# Altium PCB vme64x6U_ctrlc.PcbDoc (part 17 of 18)
Units mm, origin at the board's own origin, x right, y up, seen from the top; angles counter-clockwise.
Board outline 233.35 x 162 mm, 6 copper layers (TopLayer, PlaneGnd, PlanePwr, MidLayer3, MidLayer4, BottomLayer); 408 components, 677 nets, 2169 pads, 1555 vias.
Unrouted connection lines stored in the file: 184.
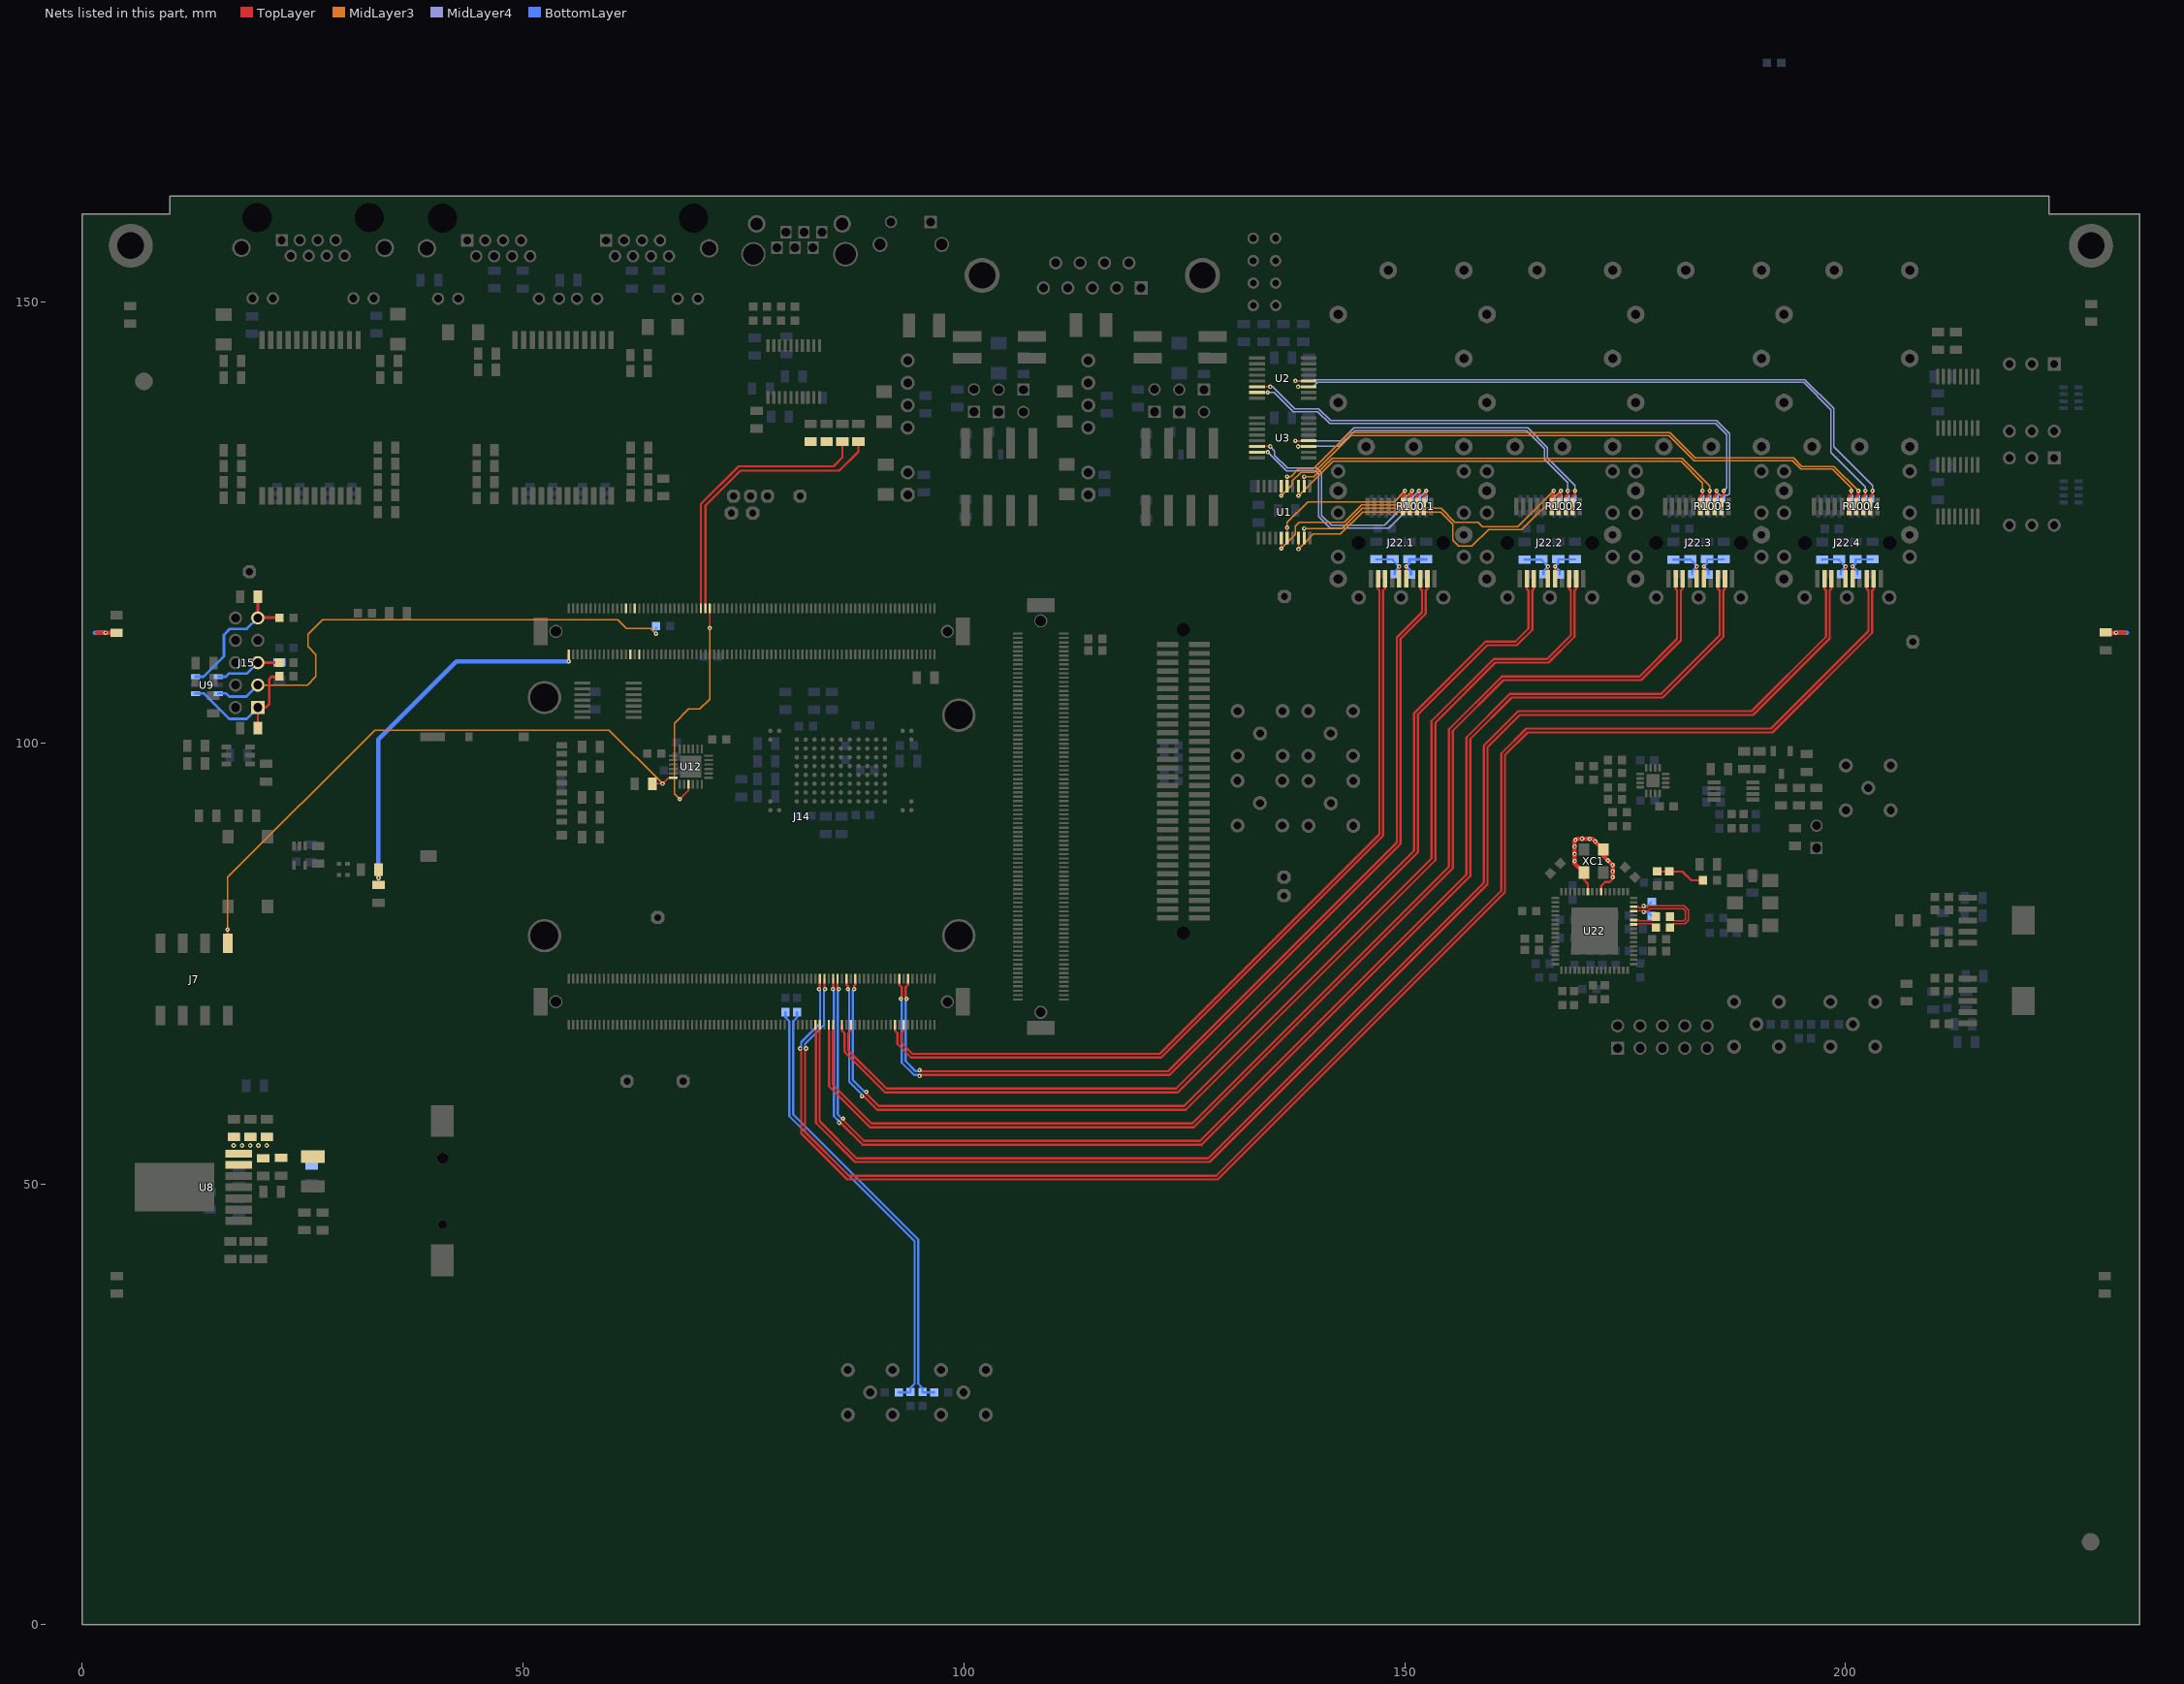
[diagram p21: the nets of this part, all layers, seen from the top]

## Via types
v1: diameter 0.5, hole 0.2, TopLayer to BottomLayer, tented both sides, 1555 vias

## Nets (pads, with @x,y where several pads share a name; then routed paths per layer and width w, separated by ;. In a path a pad name is that pad's centre, name@x,y a point inside that pad or via, vN(x,y) a via of type N, cw(c..) or ccw(c..) an arc to the next point about the centre after c; other vN are vias at no path point) (continued)
SDIO_D3: J14.A103 U12.3 | length 26.4
  TopLayer w0.15: v1(67.775,93.625) 68.775,94.625 U12.3@68.775,95.3 ; v1(71.175,113.025) J14.A103@71.175,115.25
  MidLayer3 w0.15: v1(67.775,93.625) 67.15,94.25 67.15,102.225 68.77,103.845 70.045,103.845 71.175,104.975 v1(71.175,113.025)
SDIO_SEL: J7.5 R71.1 U12.24 | length 68.9
  TopLayer w0.15: R71.1@64.675,95.375 v1(65.825,95.375) 66.5,96.05 U12.24@67.025,96.05
  TopLayer w0.25: J7.5@16.49,77.275 v1(16.49,78.845)
  MidLayer3 w0.15: v1(16.49,78.845) 16.49,84.765 33.175,101.45 59.75,101.45 v1(65.825,95.375)
SFP_I2C_0.SCL: J22.1.5 R100.1.5 U1.6 | length 19.4
  TopLayer w0.15: U1.6@136.65,123.225 v1(136.65,124.4)
  TopLayer w0.3: J22.1.5@149.775,126.8 149.775,127.975 150.03,128.23 v1(150.03,128.595)
  MidLayer3 w0.15: v1(136.65,124.4) 136.65,125 139,127.35 148.785,127.35 v1(150.03,128.595)
  BottomLayer w0.15: R100.1.5@150.03,127.7 v1(150.03,128.595)
SFP_I2C_0.SDA: J22.1.4 R100.1.6 U1.5 | length 22.1
  TopLayer w0.15: v1(136,122.05) U1.5@136,123.225
  TopLayer w0.3: J22.1.4@150.575,126.8 150.575,127.925 150.83,128.18 v1(150.83,128.595)
  MidLayer3 w0.15: v1(136,122.05) 137.61,123.66 137.61,124.585 138.05,125.025 143.125,125.025 145.125,127.025 149.26,127.025 v1(150.83,128.595)
  BottomLayer w0.15: R100.1.6@150.83,127.7 v1(150.83,128.595)
SFP_I2C_1.SCL: J22.2.5 R100.2.5 U1.9 | length 35.8
  TopLayer w0.15: U1.9@138.6,123.15 U1.9@138.6,123.225 v1(138.6,124.325)
  TopLayer w0.3: J22.2.5@166.65,126.8 166.65,127.975 166.905,128.23 v1(166.905,128.595)
  MidLayer3 w0.15: v1(138.6,124.325) 142.878,124.325 145.153,126.6 154.128,126.6 155.703,125.025 158.3,125.025 158.825,124.5 162.81,124.5 v1(166.905,128.595)
  BottomLayer w0.15: R100.2.5@166.905,127.7 v1(166.905,128.595)
SFP_I2C_1.SDA: J22.2.4 R100.2.6 U1.8 | length 40.8
  TopLayer w0.15: v1(137.95,121.975) U1.8@137.95,123.15
  TopLayer w0.3: J22.2.4@167.45,126.8 167.45,127.925 167.705,128.18 v1(167.705,128.595)
  MidLayer3 w0.15: v1(137.95,121.975) 138.5,122.525 139.65,123.675 142.7,123.675 145.225,126.2 154.075,126.2 155.46,124.815 155.46,122.965 156.125,122.3 157.625,122.3 159.5,124.175 163.285,124.175 v1(167.705,128.595)
  BottomLayer w0.15: R100.2.6@167.705,127.7 v1(167.705,128.595)
SFP_I2C_2.SCL: J22.3.5 R100.3.5 U1.13 | length 53.2
  TopLayer w0.15: v1(137.95,128.05) U1.13@137.95,129.125
  TopLayer w0.3: J22.3.5@183.525,126.8 183.525,127.975 183.78,128.23 v1(183.78,128.595)
  MidLayer3 w0.15: v1@137.975,128.025 141.875,131.925 181.325,131.925 183.78,129.47 v1(183.78,128.595)
  BottomLayer w0.15: R100.3.5@183.78,127.7 v1(183.78,128.595)
SFP_I2C_2.SDA: J22.3.4 R100.3.6 U1.12 | length 52.6
  TopLayer w0.15: U1.12@138.6,129.125 v1(138.6,130.2)
  TopLayer w0.3: J22.3.4@184.325,126.8 184.325,127.925 184.58,128.18 v1(184.58,128.595)
  MidLayer3 w0.15: v1(138.6,130.2) 139.69,130.2 141.765,132.275 181.45,132.275 184.58,129.145 v1(184.58,128.595)
  BottomLayer w0.15: R100.3.6@184.58,127.7 v1(184.58,128.595)
SFP_I2C_3.SCL: J22.4.5 R100.4.5 U1.16 | length 74.4
  TopLayer w0.15: v1(136,128.05) U1.16@136,129.125
  TopLayer w0.3: J22.4.5@200.4,126.8 200.4,127.975 200.655,128.23 v1(200.655,128.595)
  MidLayer3 w0.15: v1(136,128.05) 137.225,129.275 137.225,129.675 138.25,130.7 139.725,130.7 143.9,134.875 179.95,134.875 182.82,132.005 193.97,132.005 194.925,131.05 198.525,131.05 200.655,128.92 v1(200.655,128.595)
  BottomLayer w0.15: R100.4.5@200.655,127.7 v1(200.655,128.595)
SFP_I2C_3.SDA: J22.4.4 R100.4.6 U1.15 | length 73.5
  TopLayer w0.15: U1.15@136.65,129.125 v1(136.65,130.2)
  TopLayer w0.3: J22.4.4@201.2,126.8 201.2,127.925 201.455,128.18 v1(201.455,128.595)
  MidLayer3 w0.15: v1(136.65,130.2) 137.075,130.2 137.925,131.05 139.6,131.05 143.745,135.195 180.083,135.195 182.953,132.325 194.103,132.325 195.058,131.37 198.68,131.37 v1(201.455,128.595)
  BottomLayer w0.15: R100.4.6@201.455,127.7 v1(201.455,128.595)
SFP_IO_0.TxDis: J22.1.3 R100.1.7 U3.6 | length 29.5
  TopLayer w0.15: U3.6@133.4,133.625 v1(134.75,133.625)
  TopLayer w0.3: J22.1.3@151.375,126.8 151.375,127.95 151.63,128.205 v1(151.63,128.595)
  MidLayer4 w0.15: v1(134.75,133.625) 135.25,133.125 135.25,132.628 136.713,131.165 140.03,131.165 140.57,130.625 ; 140.57,130.61 140.57,125.802 141.692,124.68 147.715,124.68 v1(151.63,128.595)
  BottomLayer w0.15: R100.1.7@151.63,127.7 v1(151.63,128.595)
SFP_IO_0.TxFault: J22.1.2 R100.1.8 U3.7 | length 30
  TopLayer w0.15: U3.7@133.4,132.975 v1(134.45,132.975)
  TopLayer w0.3: J22.1.2@152.175,126.8 152.175,127.95 152.43,128.205 v1(152.43,128.595)
  MidLayer4 w0.15: v1(134.45,132.975) 136.58,130.845 139.897,130.845 140.25,130.492 140.25,125.67 141.57,124.35 148.185,124.35 v1(152.43,128.595)
  BottomLayer w0.15: R100.1.8@152.43,127.7 v1(152.43,128.595)
SFP_IO_1.TxDis: J22.2.3 R100.2.7 U3.11 | length 39.3
  TopLayer w0.15: v1@137.895,133.625 v1(137.9,133.625) U3.11@139.095,133.625
  TopLayer w0.3: J22.2.3@168.25,126.8 168.25,127.95 168.505,128.205 v1(168.505,128.595)
  MidLayer4 w0.15: v1@138.02,133.625 142.55,133.625 144.35,135.425 163.7,135.425 163.825,135.425 165.875,133.375 165.875,132.15 168.505,129.52 v1(168.505,128.595)
  BottomLayer w0.15: R100.2.7@168.505,127.7 v1(168.505,128.595)
SFP_IO_1.TxFault: J22.2.2 R100.2.8 U3.12 | length 40.6
  TopLayer w0.15: v1(137.6,134.275) U3.12@139.095,134.275
  TopLayer w0.3: J22.2.2@169.05,126.8 169.05,127.95 169.305,128.205 v1(169.305,128.595)
  MidLayer4 w0.15: v1(137.6,134.275) 142.747,134.275 144.217,135.745 163.833,135.745 163.958,135.745 166.195,133.508 166.195,132.33 169.305,129.22 v1(169.305,128.595)
  BottomLayer w0.15: R100.2.8@169.305,127.7 v1(169.305,128.595)
SFP_IO_2.TxDis: J22.3.3 R100.3.7 U2.6 | length 67.1
  TopLayer w0.15: U2.6@133.4,140.4 v1(134.75,140.4)
  TopLayer w0.3: J22.3.3@185.125,126.8 185.125,127.95 185.38,128.205 v1(185.38,128.595)
  MidLayer4 w0.15: v1(134.75,140.4) 135.025,140.4 137.53,137.895 140.258,137.895 141.608,136.545 185.383,136.545 186.825,135.103 186.825,129 186.825,128.25 186.65,128.075 185.75,128.075 185.38,128.445 v1(185.38,128.595)
  BottomLayer w0.15: R100.3.7@185.38,127.7 v1(185.38,128.595)
SFP_IO_2.TxFault: J22.3.2 R100.3.8 U2.7 | length 64.4
  TopLayer w0.15: U2.7@133.4,139.75 v1(134.45,139.75)
  TopLayer w0.3: J22.3.2@185.925,126.8 185.925,127.95 186.18,128.205 v1(186.18,128.595)
  MidLayer4 w0.15: v1(134.45,139.75) 135.2,139.75 137.375,137.575 140.125,137.575 141.475,136.225 185.25,136.225 186.505,134.97 186.505,128.92 v1(186.18,128.595)
  BottomLayer w0.15: R100.3.8@186.18,127.7 v1(186.18,128.595)
SFP_IO_3.TxDis: J22.4.3 R100.4.7 U2.11 | length 76.7
  TopLayer w0.15: v1@137.895,140.4 v1(137.9,140.4) U2.11@139.095,140.4
  TopLayer w0.3: J22.4.3@202,126.8 202,127.95 202.255,128.205 v1(202.255,128.595)
  MidLayer4 w0.15: v1(137.9,140.4) 139.65,140.4 140.14,140.89 195.24,140.89 198.345,137.785 198.345,132.955 202.255,129.045 v1(202.255,128.595)
  BottomLayer w0.15: R100.4.7@202.255,127.7 v1(202.255,128.595)
SFP_IO_3.TxFault: J22.4.2 R100.4.8 U2.12 | length 77.9
  TopLayer w0.15: v1(137.6,141.05) U2.12@139.095,141.05
  TopLayer w0.3: J22.4.2@202.8,126.8 202.8,127.95 203.055,128.205 v1(203.055,128.595)
  MidLayer4 w0.15: v1(137.6,141.05) 139.59,141.05 139.75,141.21 195.373,141.21 198.665,137.918 198.665,133.61 203.055,129.22 v1(203.055,128.595)
  BottomLayer w0.15: R100.4.8@203.055,127.7 v1(203.055,128.595)
SFP_RX_0.IO_N: J14.B20 J22.1.13 | length 97.7
  TopLayer w0.25: J14.B20@92.175,68.05 92.175,67.375 92.462,67.088 92.462,65.863 94,64.325 122.404,64.325 147.55,89.471 147.55,117.3 147.75,117.5 J22.1.13@147.75,118.625
SFP_RX_0.IO_P: J14.B16 J22.1.12 | length 96.3
  TopLayer w0.25: J14.B16@93.175,68.05 93.175,67.375 92.888,67.088 92.888,66.039 94.176,64.75 122.228,64.75 147.125,89.647 147.125,117.325 146.95,117.5 J22.1.12@146.95,118.625
SFP_RX_1.IO_N: J14.B44 J22.2.13 | length 119.8
  TopLayer w0.25: J14.B44@86.175,68.05 86.175,67.375 86.462,67.088 86.462,64.963 91.05,60.375 124.25,60.375 151.5,87.625 151.5,103.224 159.351,111.075 162.725,111.075 164.463,112.813 164.463,117.287 164.65,117.475 J22.2.13@164.65,118.6
SFP_RX_1.IO_P: J14.B40 J22.2.12 | length 118.4
  TopLayer w0.25: J14.B40@87.175,68.05 87.175,67.375 86.887,67.088 86.887,65.139 91.226,60.8 124.074,60.8 151.075,87.801 151.075,103.4 159.175,111.5 162.549,111.5 164.038,112.989 164.038,117.287 163.85,117.475 J22.2.12@163.85,118.6
SFP_RX_2.IO_N: J14.B50 J22.3.13 | length 144.6
  TopLayer w0.25: J14.B50@84.675,68.05 84.675,67.375 84.713,67.338 84.713,61.061 89.349,56.425 126.076,56.425 155.45,85.799 155.45,101.374 161.201,107.125 176.814,107.125 181.312,111.624 181.312,117.262 181.525,117.475 J22.3.13@181.525,118.6
SFP_RX_2.IO_P: J14.B48 J22.3.12 | length 143.1
  TopLayer w0.25: J14.B48@85.175,68.05 85.175,67.375 85.138,67.338 85.138,64.663 85.138,61.238 89.525,56.85 125.9,56.85 155.025,85.975 155.025,101.55 161.025,107.55 176.638,107.55 180.887,111.8 180.887,117.312 180.725,117.475 J22.3.12@180.725,118.6
SFP_RX_3.IO_N: J14.B56 J22.4.13 | length 168.5
  TopLayer w0.25: J14.B56@83.175,68.05 83.175,67.375 83.213,67.338 83.213,56.911 87.649,52.475 127.894,52.475 159.4,83.981 159.4,99.524 163.051,103.175 189.526,103.175 198.213,111.861 198.213,117.287 198.4,117.475 J22.4.13@198.4,118.6
SFP_RX_3.IO_P: J14.B54 J22.4.12 | length 167.1
  TopLayer w0.25: J14.B54@83.675,68.05 83.675,67.375 83.638,67.338 83.638,57.088 87.825,52.9 127.718,52.9 158.975,84.157 158.975,99.7 162.875,103.6 189.35,103.6 197.788,112.038 197.788,117.287 197.6,117.475 J22.4.12@197.6,118.6
SFP_TX_0.IO_N: J14.B17 J22.1.19 | length 109.3
  TopLayer w0.25: J14.B17@92.675,73.25 92.675,72.575 92.963,72.288 92.963,71.097 v1(92.84,70.975) ; v1(94.975,62.228) v1@95.098,62.35 ; v1@94.975,62.35 123.33,62.35 149.525,88.545 149.525,111.788 152.388,114.65 152.388,117.287 152.575,117.475 J22.1.19@152.575,118.6
  BottomLayer w0.25: v1(92.84,70.975) 92.963,70.852 92.963,63.731 94.344,62.35 94.853,62.35 v1(94.975,62.228)
SFP_TX_0.IO_P: J14.B13 J22.1.18 | length 107.7
  TopLayer w0.25: v1(93.51,70.975) 93.388,71.097 93.388,72.288 93.675,72.575 J14.B13@93.675,73.25 ; v1(94.975,62.898) 95.097,62.775 123.154,62.775 149.1,88.721 149.1,111.964 151.963,114.826 151.963,117.287 151.775,117.475 J22.1.18@151.775,118.6
  BottomLayer w0.25: v1(93.51,70.975) 93.388,70.852 93.388,63.908 94.52,62.775 94.853,62.775 v1(94.975,62.898)
SFP_TX_1.IO_N: J14.B41 J22.2.19 | length 133.5
  TopLayer w0.25: J14.B41@86.675,73.25 86.675,72.575 86.849,72.401 v1(86.849,72.075) ; v1(88.451,59.951) 88.624,59.951 90.176,58.4 91.999,58.4 125.164,58.4 153.475,86.711 153.475,102.299 160.276,109.1 166.326,109.1 169.263,112.036 169.263,117.287 169.45,117.475 J22.2.19@169.45,118.6
  BottomLayer w0.25: v1(86.849,72.075) 86.984,71.939 86.984,61.591 88.451,60.124 v1(88.451,59.951)
SFP_TX_1.IO_P: J14.B37 J22.2.18 | length 132.1
  TopLayer w0.25: v1(87.545,72.075) 87.545,72.445 87.675,72.575 J14.B37@87.675,73.25 ; v1(88.925,60.425) 88.925,60.252 90.352,58.825 92.175,58.825 124.988,58.825 153.05,86.887 153.05,102.475 160.1,109.525 166.15,109.525 168.838,112.213 168.838,117.287 168.65,117.475 J22.2.18@168.65,118.6
  BottomLayer w0.25: v1(87.545,72.075) 87.409,71.939 87.409,61.767 88.752,60.425 v1(88.925,60.425)
SFP_TX_2.IO_N: J14.B47 J22.3.19 | length 157.6
  TopLayer w0.25: v1(85.124,72.075) v1@85.175,72.126 ; J14.B47@85.175,73.25 85.175,72.575 85.213,72.538 v1@85.213,72.075 ; v1(85.838,56.938) 86.011,56.938 88.499,54.45 126.97,54.45 157.425,84.905 157.425,100.449 162.126,105.15 179.264,105.15 186.138,112.024 186.138,117.287 186.325,117.475 J22.3.19@186.325,118.6
  BottomLayer w0.25: v1(85.124,72.075) 85.259,71.939 85.259,57.69 85.838,57.111 v1(85.838,56.938)
SFP_TX_2.IO_P: J14.B45 J22.3.18 | length 156.2
  TopLayer w0.25: J14.B45@85.675,73.25 85.675,72.575 85.638,72.538 85.638,72.258 v1(85.82,72.075) ; v1(86.312,57.412) 86.312,57.238 88.675,54.875 89.72,54.875 126.794,54.875 157,85.081 157,100.625 161.95,105.575 179.088,105.575 185.713,112.2 185.713,117.287 185.525,117.475 J22.3.18@185.525,118.6
  BottomLayer w0.25: v1(85.82,72.075) 85.684,71.939 85.684,57.866 86.138,57.412 v1(86.312,57.412)
SFP_TX_3.IO_N: J14.B53 J22.4.19 | length 183.2
  TopLayer w0.25: v1(81.428,65.35) 81.55,65.227 81.55,55.724 86.774,50.5 128.8,50.5 161.375,83.075 161.375,98.624 163.951,101.2 191.714,101.2 203.013,112.499 203.013,117.287 203.2,117.475 J22.4.19@203.2,118.6 ; v1(83.578,72.075) 83.578,72.176 83.675,72.273 83.675,72.575 J14.B53@83.675,73.25
  BottomLayer w0.25: v1(81.428,65.35) 81.55,65.472 81.55,66.049 83.7,68.199 83.7,71.952 v1(83.578,72.075)
SFP_TX_3.IO_P: J14.B51 J22.4.18 | length 181.8
  TopLayer w0.25: v1(82.098,65.35) 81.975,65.227 81.975,55.9 86.95,50.925 128.624,50.925 160.95,83.251 160.95,98.8 163.775,101.625 191.538,101.625 202.588,112.675 202.588,117.287 202.4,117.475 J22.4.18@202.4,118.6 ; J14.B51@84.175,73.25 84.175,72.147 v1(84.248,72.075)
  BottomLayer w0.25: v1(82.098,65.35) 81.975,65.472 81.975,65.873 84.125,68.023 84.125,71.952 v1(84.248,72.075)
StripGND: R31.2 | length 3.4
  TopLayer w0.5: 1.7,112.5 R31.2@3.9,112.5
  BottomLayer w0.5: 1.4,112.5 v1(2.65,112.5)
StripGND_T: R33.2 | length 3.4
  TopLayer w0.5: R33.2@229.45,112.5 231.65,112.5
  BottomLayer w0.5: v1(230.675,112.5) 231.925,112.5
TCK_R: J15.1 R43.2 R44.1 U9.1 | length 16.7
  TopLayer w0.25: R44.1@19.925,101.675 19.925,104.015 J15.1@19.92,104.02 J15.1@19.96,104.06
  TopLayer w0.3: J15.1@19.96,104.06 20.86,104.06 21.225,104.425 21.225,107.25 21.475,107.5 R43.2@22.375,107.5
  BottomLayer w0.3: U9.1@12.835,105.61 13.81,105.61 16.685,102.735 18.635,102.735 J15.1@19.92,104.02
TDI_R: J15.9 R45.2 R49.1 U9.3 | length 16.1
  TopLayer w0.25: J15.9@19.92,114.18 J15.9@19.95,114.21
  TopLayer w0.3: J15.9@19.92,114.18 19.92,116.57 R49.1@19.925,116.575 ; J15.9@19.95,114.21 R45.2@22.36,114.21
  BottomLayer w0.3: U9.3@12.835,107.51 13.76,107.51 16.085,109.835 16.085,112.26 16.76,112.935 18.675,112.935 J15.9@19.92,114.18
TDO_R: J15.3 R48.2 U9.6 | length 58.8
  MidLayer3 w0.15: J15.3@19.92,106.56 25.535,106.56 26.5,107.525 26.5,110.025 25.6,110.925 25.6,112.3 27.25,113.95 60.765,113.95 61.74,112.975 64.5,112.975 v1(65.075,112.4)
  BottomLayer w0.15: v1(65.075,112.4) R48.2@65.075,113.15
  BottomLayer w0.3: U9.6@15.435,105.61 16.335,105.61 16.685,105.26 18.62,105.26 J15.3@19.92,106.56
TMS_R: J15.5 R46.1 R47.2 U9.4 | length 10.1
  TopLayer w0.3: J15.5@19.92,109.1 22.35,109.1 R47.2@22.36,109.11
  BottomLayer w0.3: U9.4@15.435,107.51 16.285,107.51 16.635,107.86 18.68,107.86 J15.5@19.92,109.1 19.945,109.125 R46.1@22.375,109.125
TX_LEMO_N: C9.1 R18.2 R19.1 | length 50.7
  BottomLayer w0.25: C9.1@81.075,69.475 81.075,68.875 80.638,68.438 80.638,57.863 94.825,43.675 94.825,27.325 95.3,26.85 R19.1@95.3,26.4 95.35,26.35 R18.2@96.65,26.35
TX_LEMO_P: C8.1 R14.2 R15.1 | length 50.7
  BottomLayer w0.25: C8.1@79.775,69.475 79.775,68.875 80.213,68.438 80.213,57.686 94.4,43.499 94.4,27.325 93.95,26.875 R15.1@93.95,26.4 93.9,26.35 R14.2@92.625,26.35
UART_CTS: R57.1
UART_RTS: R58.1
UART_RX: J14.A105 R56.1 | length 32.7
  TopLayer w0.25: J14.A105@70.675,115.25 70.675,126.893 74.657,130.875 85.875,130.875 88.025,133.025 R56.1@88.025,134.175
UART_TX: J14.A107 R54.1 | length 31.9
  TopLayer w0.25: J14.A107@70.175,115.25 70.175,127.1 74.45,131.375 85.225,131.375 86.225,132.375 R54.1@86.225,134.175
USB3_SSRX_N: J14.A141
USB3_SSRX_P: J14.A137
USB3_SSTX_N: J14.A140
USB3_SSTX_P: J14.A136
VBUT: C7.2 J14.A168 R8.1 | length 42.6
  TopLayer w0.2: v1(55.175,109.25) J14.A168@55.175,110.05
  TopLayer w0.25: C7.2@33.6,83.875 C7.2@33.61,83.885 v1(33.61,84.7)
  BottomLayer w0.5: v1@33.6,84.7 33.6,100.4 42.45,109.25 v1(55.175,109.25)
VCCRSFP_U_SFPplusConn_0: C74.1.2 C75.1.2 J22.1.15 L14.1.2 | length 5.5
  TopLayer w0.25: J22.1.15@149.375,118.6 v1(149.375,120)
  MidLayer3 w0.15: v1(149.375,120) v1@149.4,120.025
  BottomLayer w0.25: C74.1.2@146.775,120.825 L14.1.2@148.655,120.825 148.655,120.72 v1(149.375,120) 148.85,119.475 C75.1.2@148.85,119.125
VCCRSFP_U_SFPplusConn_1: C74.2.2 C75.2.2 J22.2.15 L14.2.2 | length 5.6
  TopLayer w0.25: J22.2.15@166.25,118.6 v1(166.25,120)
  MidLayer3 w0.15: v1(166.25,120) v1@166.275,120.025
  BottomLayer w0.25: C74.2.2@163.605,120.8 165.505,120.8 L14.2.2@165.53,120.825 165.53,120.72 v1(166.25,120) 165.725,119.475 C75.2.2@165.725,119.125
VCCRSFP_U_SFPplusConn_2: C74.3.2 C75.3.2 J22.3.15 L14.3.2 | length 5.6
  TopLayer w0.25: J22.3.15@183.125,118.6 v1(183.125,120)
  MidLayer3 w0.15: v1(183.125,120) v1@183.15,120.025
  BottomLayer w0.25: C74.3.2@180.48,120.8 182.38,120.8 L14.3.2@182.405,120.825 183.125,120.105 v1(183.125,120) 182.6,119.475 C75.3.2@182.6,119.125
VCCRSFP_U_SFPplusConn_3: C74.4.2 C75.4.2 J22.4.15 L14.4.2 | length 5.6
  TopLayer w0.25: J22.4.15@200,118.6 v1(200,120)
  MidLayer3 w0.15: v1(200,120) v1@200.025,120.025
  BottomLayer w0.25: C74.4.2@197.355,120.8 197.38,120.825 L14.4.2@199.28,120.825 199.28,120.72 v1(200,120) 199.475,119.475 C75.4.2@199.475,119.125
VCCTSFP_U_SFPplusConn_0: C76.1.2 C77.1.2 J22.1.16 L15.1.2 | length 5.4
  TopLayer w0.25: J22.1.16@150.175,118.6 v1(150.175,120.025)
  BottomLayer w0.3: C77.1.2@150.7,119.1 150.7,119.5 v1(150.175,120.025) 150.53,120.38 L15.1.2@150.53,120.825 C76.1.2@152.425,120.825
VCCTSFP_U_SFPplusConn_1: C76.2.2 C77.2.2 J22.2.16 L15.2.2 | length 5.4
  TopLayer w0.25: J22.2.16@167.05,118.6 v1(167.05,120.025)
  BottomLayer w0.25: C77.2.2@167.575,119.1 167.575,119.5 v1(167.05,120.025) 167.405,120.38 L15.2.2@167.405,120.825 C76.2.2@169.305,120.825
VCCTSFP_U_SFPplusConn_2: C76.3.2 C77.3.2 J22.3.16 L15.3.2 | length 5.4
  TopLayer w0.25: J22.3.16@183.925,118.6 v1(183.925,120.025)
  BottomLayer w0.25: C77.3.2@184.45,119.1 184.45,119.5 v1(183.925,120.025) 184.28,120.38 L15.3.2@184.28,120.825 C76.3.2@186.18,120.825
VCCTSFP_U_SFPplusConn_3: C76.4.2 C77.4.2 J22.4.16 L15.4.2 | length 5.4
  TopLayer w0.25: J22.4.16@200.8,118.6 v1(200.8,120.025)
  BottomLayer w0.25: C77.4.2@201.325,119.1 201.325,119.5 v1(200.8,120.025) 201.155,120.38 L15.4.2@201.155,120.825 C76.4.2@203.055,120.825
VD_TMP: C19.1 C20.1 C21.1 C26.2 C27.2 C28.2 L1.1 R36.1 R37.2 R38.1 U8.6 U8.7
  other v1: 17.175,54.355 18.125,54.355 19.05,54.355 19.975,54.355 20.925,54.355
XGND: U22.7 U22.10 XC1.2 XC1.4 | length 16.3
  TopLayer w0.25: XC1.4@170.325,85.3 170.325,84.5 170.775,84.05 U22.10@170.775,83.125 ; U22.7@172.275,83.125 172.275,83.775 172.725,84.225 173.25,84.225 173.575,84.55 v1(173.575,84.775)
  TopLayer w0.5: XC1.4@170.325,85.3 169.275,86.35 169.275,88.875 169.525,89.125 171.3,89.125 XC1.2@172.525,87.9 172.525,87.2 v1(173.575,86.15) v1(173.575,84.775)
  other v1: 173.575,85.425 169.275,86.6 173.05,86.675 169.275,87.4 169.275,88.225 171.6,88.825 169.375,89 170.975,89.125 170.125,89.15
XTAL: C84.1 R121.1 R122.2 | length 5.6
  TopLayer w0.25: C84.1@178.625,85.425 R121.1@180,85.425 181.5,85.425 182.5,84.425 R122.2@183.825,84.425
ZDIN_N: C92.2 R125.1 U22.62 | length 11.1
  TopLayer w0.15: U22.62@175.975,81.425 176.475,81.425 176.562,81.338 176.928,81.338 v1(177.1,81.51) ; 177.275,81.325 177.49,81.325 177.69,81.525 181.685,81.525 182.15,81.06 182.15,79.865 181.797,79.513 180.538,79.513 C92.2@180.075,79.05
  BottomLayer w0.15: v1(177.1,81.51) 177.56,81.51 R125.1@178.025,81.975
ZDIN_P: C90.2 R125.2 U22.61 | length 10
  TopLayer w0.15: U22.61@175.975,80.925 176.475,80.925 176.562,81.013 176.928,81.013 v1(177.1,80.84) ; v1@177.275,81 177.625,81 177.825,81.2 181.55,81.2 181.825,80.925 181.825,80 181.663,79.838 180.538,79.838 C90.2@180.075,80.3
  BottomLayer w0.15: v1(177.1,80.84) 177.56,80.84 R125.2@178.025,80.375
ZDO_N: C92.1 U22.58 | length 2.7
  TopLayer w0.15: U22.58@175.975,79.425 176.475,79.425 176.562,79.513 178.013,79.513 C92.1@178.475,79.05